# Altium PCB paste1.PcbDoc (part 3 of 3)
Units mil, origin at the board's own origin, x right, y up, seen from the top; angles counter-clockwise.
Board outline 6785.03 x 6005.03 mil, 2 copper layers (Top Layer, Bottom Layer); 232 components, 0 nets, 1158 pads, 462 vias.
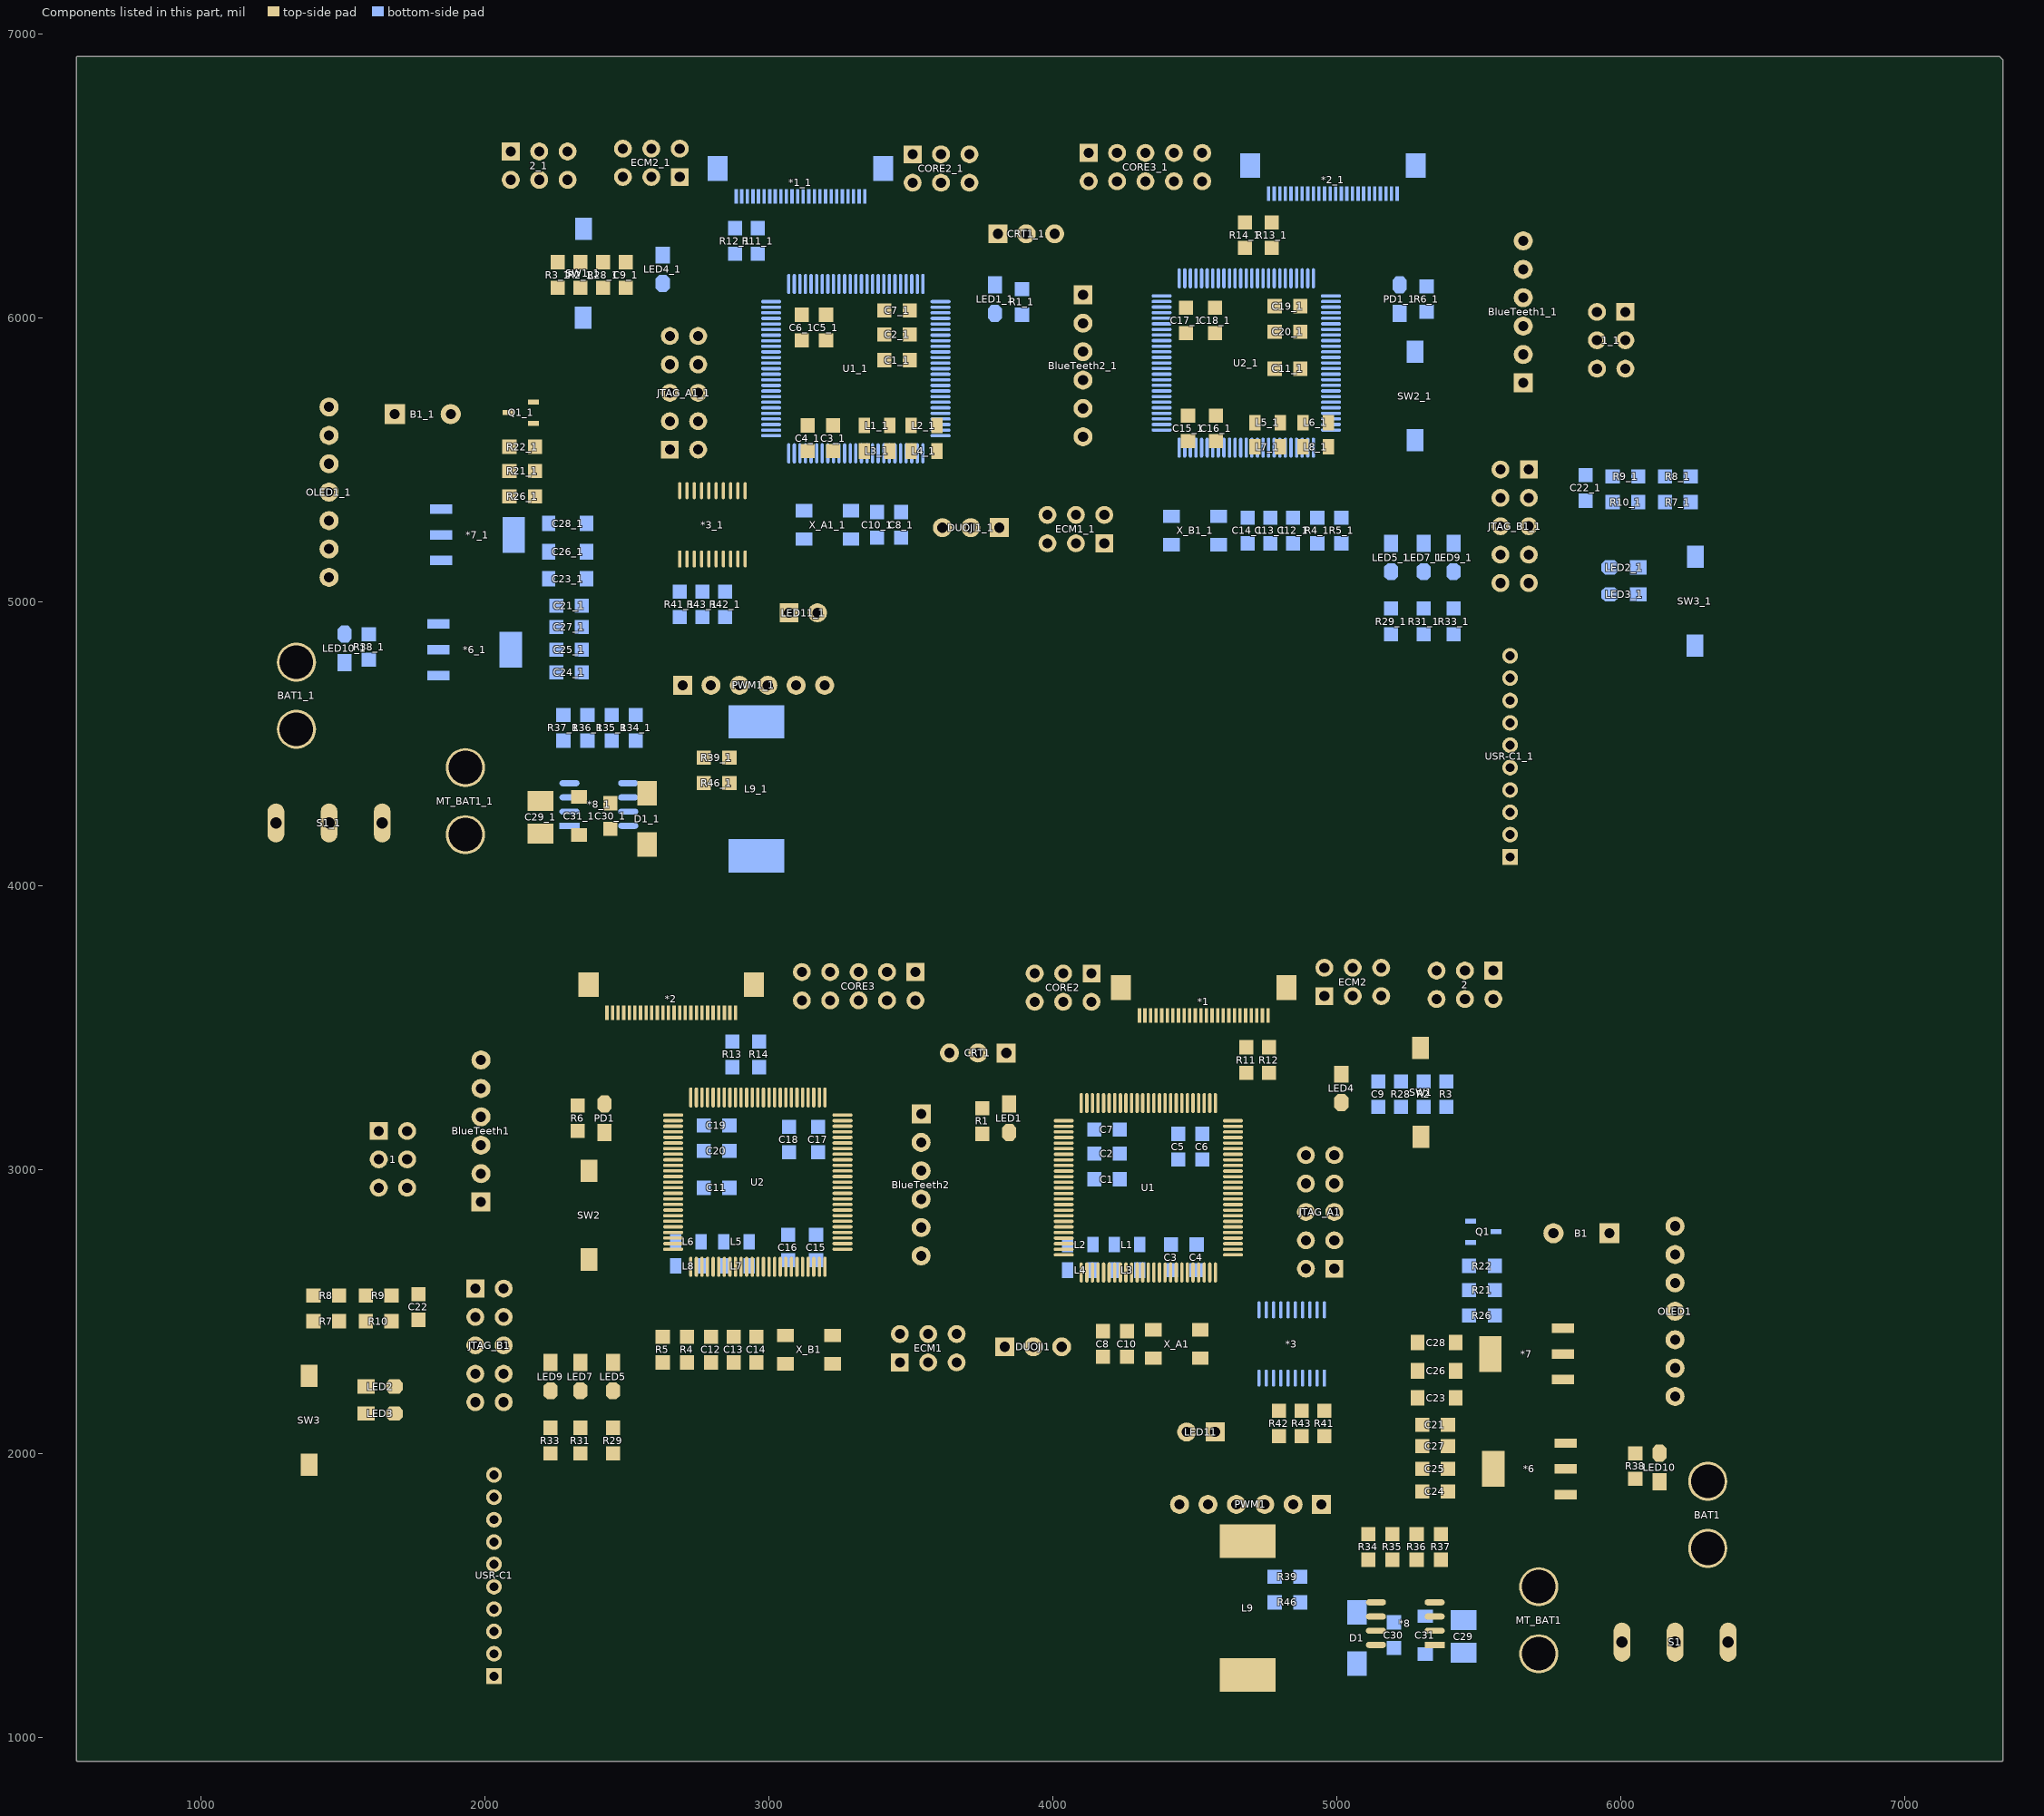
[diagram p3: the components of this part, seen from the top]

## Via types
v1: diameter 23.62, hole 11.81, Top Layer to Bottom Layer, tented both sides, 456 vias
v2: diameter 177.17, hole 157.48, Top Layer to Bottom Layer, tented both sides, 6 vias

## Nets (pads, with @x,y where several pads share a name; then routed paths per layer and width w, separated by ;. In a path a pad name is that pad's centre, name@x,y a point inside that pad or via, vN(x,y) a via of type N, cw(c..) or ccw(c..) an arc to the next point about the centre after c; other vN are vias at no path point) (continued)
copper on no net: (continued)
  Bottom Layer w31.5: 1505,4785 1550.55,4739.45 1835,4739.45 ; 3170,4960 3255,4875 3255,4095
  Bottom Layer w39.37: 1450,5085 1560,5085 1695,4950 1695,4890 1755,4830 1835,4830 ; 1930,4178.78 2063.78,4045 2113.78,3995 3155,3995 3255,4095 ; 2090,6585 2190,6585 2290,6585 ; 3890,6100 3890,6180 4005,6295 ; 5025,3770 5280,3770 5350,3700 ; 5550,3700 5640,3700 6420,2920 6420,2016.22 6305,1901.22
  Bottom Layer w59.06: 1335,4786.22 1335,4970 1450,5085
  Bottom Layer w60: 1505,4785 1439.8,4719.8 1439.8,4445.2 1262.99,4268.39 1262.99,4220 1442.99,4040 1630,4040 1930,4340 1930,4415
  Bottom Layer w78.74: 6190,1335 6190,1550 6305,1665
  other v1: 2650,1110 2490,1115 2255,1140 5810,1170 6415,1170 3045,1180 1260,1255 2805,1350 2325,1390 5585,1410 2675,1420 6005,1470 2245,1495 2825,1545 2460,1585 2970,1620 4485,1650 5730,1675 5820,1680 2370,1715 2775,1720 2570,1740 3000,1765 6440,1765 2275,1775 2415,1785 2615,1810 2835,1825 1250,1915 3000,1945 2865,1995 2960,2075 3040,2085 3355,2140 3460,2165 3965,2165 3715,2200 5080,2210 5050,2370 1205,2425 5860,2520 3520,2595 3700,2625 1215,2675 3660,2710 1355,2730 5240,2735 1460,2770 2000,2785 2075,2790 1220,2840 3805,2875 2540,2895 5525,2920 1235,2955 5595,2960 1465,2970 5955,3010 5510,3060 5830,3070 1375,3080 6460,3085 5725,3095 1300,3150 5615,3170 5830,3170 6380,3190 1460,3310 5675,3310 1615,3400 2175,3405 2295,3445 1990,3520 2100,3525 1705,3535 2215,3595 1835,3635 4990,3995 5150,4000 5385,4025 1225,4055 1830,4055 4595,4065 6380,4140 4835,4235 5315,4275 2055,4295 4965,4305 1635,4355 5395,4380 4815,4430 5180,4470 4670,4505 3155,4535 1910,4560 1820,4565 5270,4600 4865,4605 5070,4625 1200,4650 4640,4650 5365,4660 5225,4670 5025,4695 4805,4710 6390,4800 4640,4830 4775,4880 4680,4960 4600,4970 4285,5025 3675,5050 4180,5050 3925,5085 2560,5095 2590,5255 6435,5310 1780,5405 4120,5480 3940,5510 6425,5560 3980,5595 6285,5615 2400,5620 6180,5655 5640,5670 5565,5675 6420,5725 3835,5760 5100,5780 2115,5805 6405,5840 2045,5845 6175,5855 1685,5895 2130,5945 1810,5955 6265,5965 1180,5970 1915,5980 6340,6035 1810,6055 2025,6055 1260,6075 1965,6195 6180,6195 6025,6285 5465,6290 5345,6330 5650,6405 5540,6410 5935,6420 5425,6480 5805,6520
  other v2: 1522.28,1655.35 5990.79,1655.35 3756.54,3623.86 1649.21,4540.35 6117.72,4540.35 3883.46,6508.86

## Silkscreen, mask and mechanical layers (free items; w line width, h text height)
Top Overlay:
  rectangle: 3520,2465 3605,2495
  region: 1915,2335 1915,2420 1885,2420 1885,2335
  region: 5070,2810 5070,2895 5040,2895 5040,2810
  rectangle: 5010,3760 5095,3790
  lines w10: 565,6910 565,920 7340,920 7340,6905 7330,6915 565,6915 ; 1087.66,3216 1994.72,3820.71 5533.94,3820.71 6522.28,3161.81 6522.28,1064.8 ; 1089.21,3215 1089.21,1065.79 1090.2,1064.8 3155,1064.8 3155,2090 4356.93,2090 4356.93,1064.8 6525,1064.8 ; 2225,5310 2025,5310 2025,5750 2230,5750 2230,5315 ; 2480,3300 2250,3300 2250,3070 2485,3070 2485,3300 ; 2510,2380 2515,2385 ; 3560,6080 3335,6080 3335,5795 3565,5795 3565,6075 ; 4830,6365 4830,6390 4615,6390 4615,6185 4830,6185 4830,6375 ; 4995,1990 5010,1990 5010,2000 5010,2135 5010,2210 4735,2210 4735,1990 4955,1990 5000,1990 ; 2515,2385 2515,1920 2505,1930 2165,1930 2165,2385 2515,2385 ; 1330,2395 1330,2615 1830,2615 1835,2610 1835,2395 1330,2395 ; 1500,2055 1505,2060 1505,2310 1765,2310 1770,2305 1770,2055 1500,2055 ; 2100,4080 2100,4390 2635,4390 2650,4390 2650,4080 2100,4080 ; 2190,6045 2555,6045 2555,6250 2190,6250 2190,6045 ; 2570,2265 2570,2475 3285,2475 3290,2470 3290,2265 3285,2260 2575,2260 2570,2265 ; 2705,4295 2705,4510 2925,4510 2925,4295 2705,4295 ; 3060,5860 3060,6075 3255,6075 3255,5855 3250,5860 3060,5860 ; 3065,5470 3065,5680 3655,5680 3655,5470 3065,5470 ; 3680,3050 3680,3290 3910,3290 3910,3050 3680,3050 ; 4115,2260 4115,2500 4575,2500 4580,2495 4580,2260 4115,2260 ; 4415,5505 4415,5710 4630,5710 4630,5505 4415,5505 ; 4415,5885 4625,5885 4625,6095 4415,6095 4415,5885 ; 4615,3280 4825,3280 4825,3490 4615,3490 4615,3280 ; 4655,5490 4655,5685 5020,5685 5020,5490 4655,5490 ; 4715,5770 4715,6090 4925,6090 4930,6085 4930,5770 4715,5770 ; 5055,1565 5425,1565 5425,1770 5425,1780 5055,1780 5055,1565 ; 5215,1810 5215,2460 5480,2460 5480,1810 5475,1805 5220,1805 5215,1810 ; 5990,1845 5990,2075 6195,2075 6195,1845 5990,1845
  text "*" at 2475,5985 h60
  text "*" at 3580,5820 h60
  text "*" at 4945,5785 h60
  text "D6" at 3925,3805 h30 r270
  text "D4" at 4025,3805 h30 r270
  text "D2" at 4125,3805 h30 r270
  text "GND" at 5390,3790 h30 r180
  text "C6" at 3090,3765 h30
  text "C4" at 3190,3765 h30
  text "B3" at 3295,3765 h30
  text "B1" at 3400,3765 h30
  text "A19" at 3485,3765 h30
  text "5V" at 5575,3535 h30 r180
  text "D7" at 3920,3525 h30 r270
  text "D5" at 4020,3525 h30 r270
  text "D3" at 4120,3525 h30 r270
  text "C7" at 3090,3495 h30
  text "C5" at 3190,3495 h30
  text "B9" at 3290,3495 h30
  text "B2" at 3390,3495 h30
  text "B0" at 3490,3495 h30
  text "G" at 3625,3480 h30
  text "C1" at 3720,3480 h30
  text "C2" at 3815,3480 h30
  text "RXD" at 2055,3250 h60
  text "3.3V" at 1800,3185 h39.37 r270
  text "GND" at 1525,3175 h39.37 r270
  text "TXD" at 2050,3150 h60
  text "GND" at 2050,3050 h60
  text "GND" at 3615,2985 h30
  text "VCC" at 2050,2955 h60
  text "TXD" at 3615,2885 h30
  text "RXD" at 3615,2780 h30
  text "+" at 5950,2695 h30
  text "*" at 1745,2625 h60
  text "A16" at 2215,2530 h39.37 r270
  text "A15" at 2325,2530 h39.37 r270
  text "A14" at 2440,2530 h39.37 r270
  text "6V" at 3910,2270 h30
  text "G" at 4020,2270 h30
  text "*" at 2770,2195 h60
  text "*" at 5495,2065 h60
  text "G" at 4460,1980 h30
  text "5V" at 4545,1980 h30
  text "-" at 6400,1920 h80 r270
  text "12V" at 4410,1890 h30
  text "M22" at 4510,1890 h30
  text "M21" at 4615,1890 h30
  text "M12" at 4710,1890 h30
  text "M11" at 4820,1890 h30
  text "G" at 4940,1890 h30
  text "+" at 6395,1685 h80 r270
  text "+" at 5790,1550 h80 r270
  text "2017.03.31" at 2355,1345 h60
  text "-" at 5865,1270 h80 r90
  text "SCUT" at 2505,1220 h60
Bottom Overlay:
  region: 2630,6675 2545,6675 2545,6645 2630,6645
  region: 2600,5695 2600,5780 2570,5780 2570,5695
  region: 5755,5220 5755,5305 5725,5305 5725,5220
  region: 4120,5380 4035,5380 4035,5350 4120,5350
  lines w10: 1115,3949.8 3283.07,3949.8 3283.07,4975 4485,4975 4485,3949.8 6549.8,3949.8 6550.79,3950.79 6550.79,6100 ; 1117.72,3949.8 1117.72,6046.81 2106.06,6705.71 5645.28,6705.71 6552.34,6101 ; 2640,4875 2685,4875 2905,4875 2905,5095 2630,5095 2630,5020 2630,4885 2630,4875 2645,4875 ; 2810,3480 2810,3505 3025,3505 3025,3300 2810,3300 2810,3490 ; 4075,3190 4075,2910 4305,2910 4305,3195 4080,3195 ; 5130,5265 5125,5270 ; 5155,6185 5155,5955 5390,5955 5390,6185 5160,6185 ; 5410,2430 5410,2865 5615,2865 5615,2425 5415,2425 ; 5125,5270 5475,5270 5475,4815 5135,4815 5125,4805 5125,5270 ; 1445,4730 1445,4960 1650,4960 1650,4730 1445,4730 ; 2160,4695 2160,5345 2425,5345 2425,4695 2420,4690 2165,4690 2160,4695 ; 2215,4450 2585,4450 2585,4665 2215,4665 2215,4655 2215,4450 ; 2620,2605 2620,2800 2985,2800 2985,2605 2620,2605 ; 2710,2885 2710,3200 2715,3205 2925,3205 2925,2885 2710,2885 ; 2815,6165 2815,6375 3025,6375 3025,6165 2815,6165 ; 3010,2620 3010,2825 3225,2825 3225,2620 3010,2620 ; 3015,3000 3015,3210 3225,3210 3225,3000 3015,3000 ; 3060,5145 3060,5380 3065,5385 3525,5385 3525,5145 3060,5145 ; 3730,5935 3730,6175 3960,6175 3960,5935 3730,5935 ; 3985,2585 3985,2795 4575,2795 4575,2585 3985,2585 ; 4350,5150 4350,5355 4355,5360 5070,5360 5070,5150 5065,5145 4355,5145 4350,5150 ; 4385,2970 4385,3190 4580,3190 4580,2975 4390,2975 4385,2970 ; 4715,1410 4715,1625 4935,1625 4935,1410 4715,1410 ; 4990,1195 4990,1505 5005,1505 5540,1505 5540,1195 4990,1195 ; 5085,3160 5450,3160 5450,3365 5085,3365 5085,3160 ; 5805,5280 5805,5495 5810,5500 6310,5500 6310,5280 5805,5280 ; 5870,4940 5870,5190 5875,5195 6135,5195 6135,4945 6140,4940 5870,4940
  text "D2" at 3515,6690 h30 r90
  text "D4" at 3615,6690 h30 r90
  text "D6" at 3715,6690 h30 r90
  text "GND" at 2250,6675 h30 r180
  text "A19" at 4155,6650 h30
  text "B1" at 4240,6650 h30
  text "B3" at 4345,6650 h30
  text "C4" at 4450,6650 h30
  text "C6" at 4550,6650 h30
  text "5V" at 2065,6420 h30 r180
  text "D3" at 3520,6410 h30 r90
  text "D5" at 3620,6410 h30 r90
  text "D7" at 3720,6410 h30 r90
  text "B0" at 4150,6380 h30
  text "B2" at 4250,6380 h30
  text "B9" at 4350,6380 h30
  text "C5" at 4450,6380 h30
  text "C7" at 4550,6380 h30
  text "C2" at 3825,6365 h30
  text "C1" at 3920,6365 h30
  text "G" at 4015,6365 h30
  text "RXD" at 5585,6135 h60
  text "3.3V" at 5840,6070 h39.37 r90
  text "GND" at 6115,6060 h39.37 r90
  text "TXD" at 5590,6035 h60
  text "GND" at 5590,5935 h60
  text "GND" at 4025,5870 h30
  text "VCC" at 5590,5840 h60
  text "TXD" at 4025,5770 h30
  text "RXD" at 4025,5665 h30
  text "+" at 1690,5580 h30
  text "*" at 5895,5510 h60
  text "A14" at 5200,5415 h39.37 r90
  text "A15" at 5315,5415 h39.37 r90
  text "A16" at 5425,5415 h39.37 r90
  text "G" at 3620,5155 h30
  text "6V" at 3730,5155 h30
  text "*" at 4870,5080 h60
  text "*" at 2145,4950 h60
  text "5V" at 3095,4865 h30
  text "G" at 3180,4865 h30
  text "-" at 1240,4805 h80 r90
  text "G" at 2700,4775 h30
  text "M11" at 2820,4775 h30
  text "M12" at 2930,4775 h30
  text "M21" at 3025,4775 h30
  text "M22" at 3130,4775 h30
  text "12V" at 3230,4775 h30
  text "+" at 1245,4570 h80 r90
  text "+" at 1850,4435 h80 r90
  text "2017.03.31" at 5285,4230 h60
  text "-" at 1775,4155 h80 r270
  text "SCUT" at 5135,4105 h60
  text "*" at 5165,3100 h60
  text "*" at 4060,2935 h60
  text "*" at 2695,2900 h60

## Text inside footprints (layer, text, board x,y; h text height)
1: Top Overlay "2" at 1705,3235 h40 r270; Top Overlay "5" at 1605,2875 h40 r270; Top Overlay "6" at 1705,2875 h40 r270
1_1: Bottom Overlay "1" at 6035,6110 h40 r90; Bottom Overlay "2" at 5935,6120 h40 r90; Bottom Overlay "5" at 6035,5760 h40 r90; Bottom Overlay "6" at 5935,5760 h40 r90
2: Top Overlay "1" at 5640,3720 h40 r180; Top Overlay "5" at 5290,3720 h40 r180; Top Overlay "6" at 5290,3620 h40 r180
2_1: Bottom Overlay "1" at 2000,6605 h40 r180; Bottom Overlay "2" at 1990,6505 h40 r180; Bottom Overlay "5" at 2350,6605 h40 r180; Bottom Overlay "6" at 2350,6505 h40 r180
CORE2: Top Overlay "1" at 4225,3710 h40 r180; Top Overlay "2" at 4235,3610 h40 r180; Top Overlay "5" at 3875,3710 h40 r180; Top Overlay "6" at 3875,3610 h40 r180
CORE2_1: Bottom Overlay "1" at 3415,6595 h40 r180; Bottom Overlay "2" at 3405,6495 h40 r180; Bottom Overlay "5" at 3765,6595 h40 r180; Bottom Overlay "6" at 3765,6495 h40 r180
CORE3: Top Overlay "10" at 3055,3615 h40 r180; Top Overlay "9" at 3055,3715 h40 r180; Top Overlay "1" at 3595,3715 h40 r180; Top Overlay "2" at 3605,3615 h40 r180
CORE3_1: Bottom Overlay "10" at 4585,6500 h40 r180; Bottom Overlay "9" at 4585,6600 h40 r180; Bottom Overlay "1" at 4045,6600 h40 r180; Bottom Overlay "2" at 4035,6500 h40 r180
ECM1: Top Overlay "1" at 3370,2300 h40; Top Overlay "2" at 3360,2400 h40; Top Overlay "5" at 3720,2300 h40; Top Overlay "6" at 3720,2400 h40
ECM1_1: Bottom Overlay "1" at 4270,5185 h40; Bottom Overlay "2" at 4280,5285 h40; Bottom Overlay "5" at 3920,5185 h40; Bottom Overlay "6" at 3920,5285 h40
ECM2: Top Overlay "1" at 4865,3590 h40; Top Overlay "2" at 4855,3690 h40; Top Overlay "5" at 5215,3590 h40; Top Overlay "6" at 5215,3690 h40
ECM2_1: Bottom Overlay "1" at 2775,6475 h40; Bottom Overlay "2" at 2785,6575 h40; Bottom Overlay "5" at 2425,6475 h40; Bottom Overlay "6" at 2425,6575 h40
JTAG_A1: Top Overlay "10" at 4910,3110 h40 r90; Top Overlay "9" at 5010,3110 h40 r90; Top Overlay "1" at 5010,2570 h40 r90; Top Overlay "2" at 4910,2560 h40 r90
JTAG_A1_1: Bottom Overlay "10" at 2730,5995 h40 r270; Bottom Overlay "9" at 2630,5995 h40 r270; Bottom Overlay "1" at 2630,5455 h40 r270; Bottom Overlay "2" at 2730,5445 h40 r270
JTAG_B1: Top Overlay "10" at 2045,2120 h40 r270; Top Overlay "9" at 1945,2120 h40 r270; Top Overlay "1" at 1945,2660 h40 r270; Top Overlay "2" at 2045,2670 h40 r270
JTAG_B1_1: Bottom Overlay "10" at 5595,5005 h40 r90; Bottom Overlay "9" at 5695,5005 h40 r90; Bottom Overlay "1" at 5695,5545 h40 r90; Bottom Overlay "2" at 5595,5555 h40 r90
USR-C1: Top Overlay "ATT" at 1680,1915 h40
USR-C1_1: Bottom Overlay "ATT" at 5960,4800 h40